# Altium PCB E-Card.PcbDoc
Units mil, origin at the board's own origin, x right, y up, seen from the top; angles counter-clockwise.
Board outline 3937.01 x 3937.01 mil, 2 copper layers (Top Layer, Bottom Layer); 49 components, 56 nets, 208 pads, 10 vias.
Unrouted connection lines stored in the file: 22.
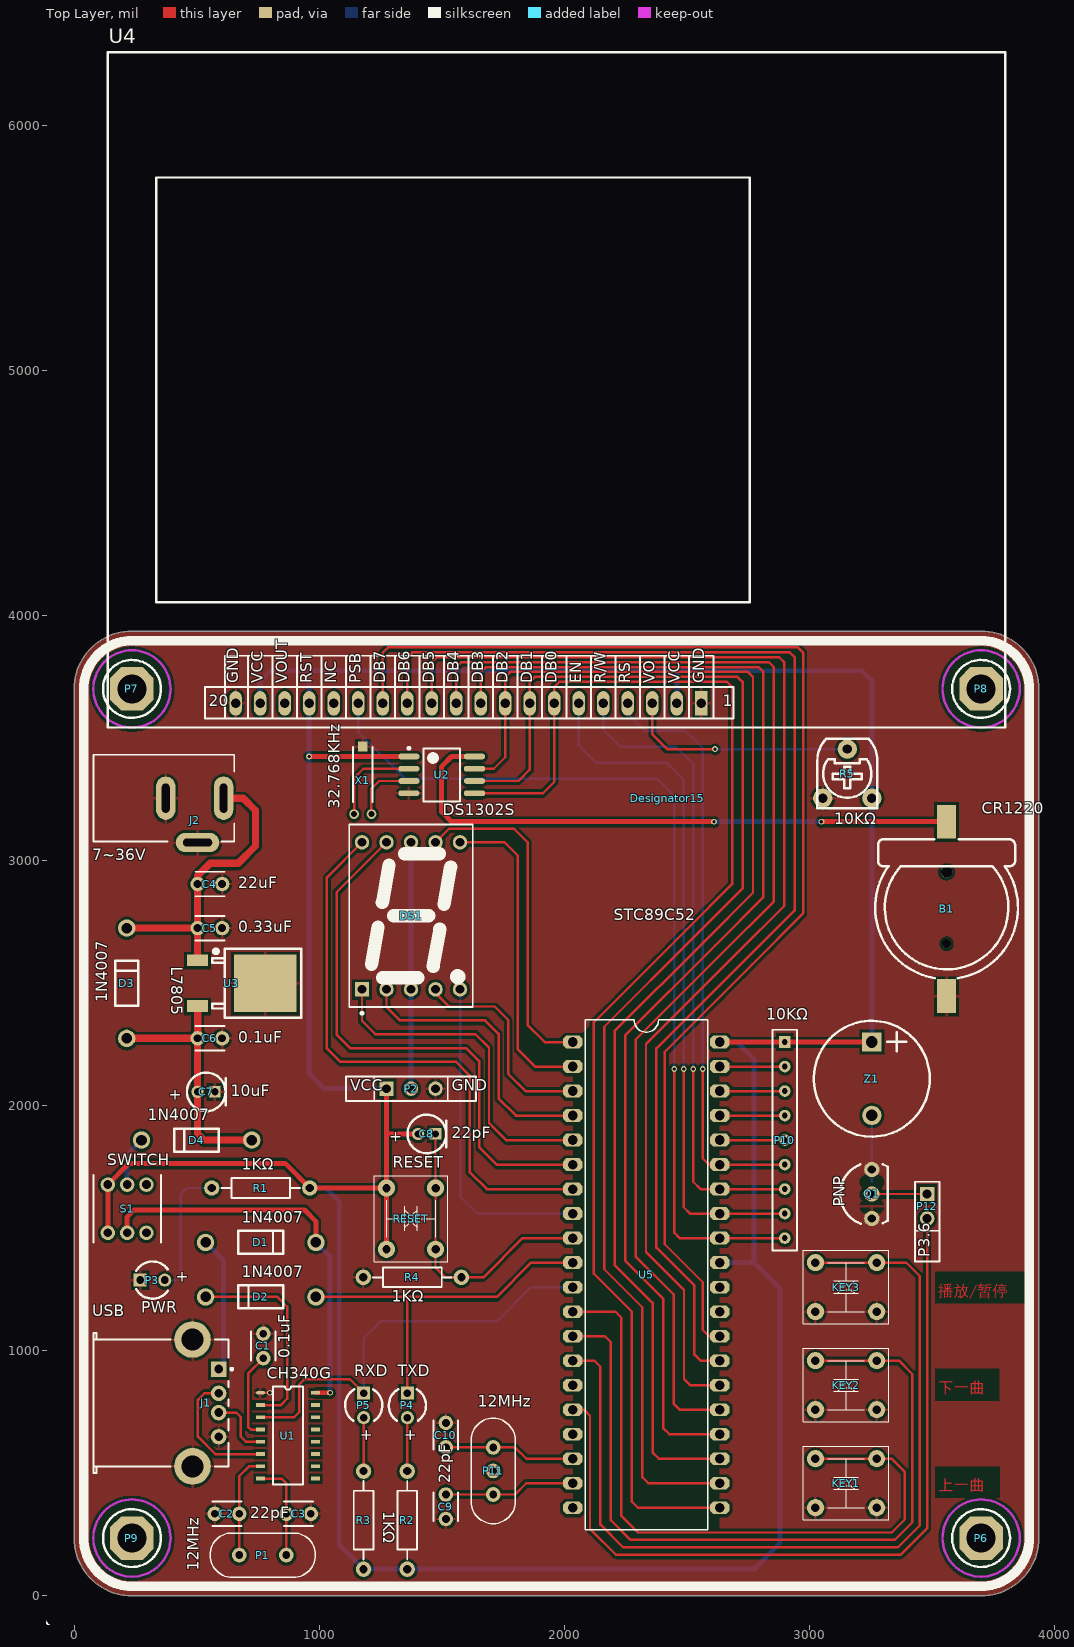
[diagram p0: Top Layer view]
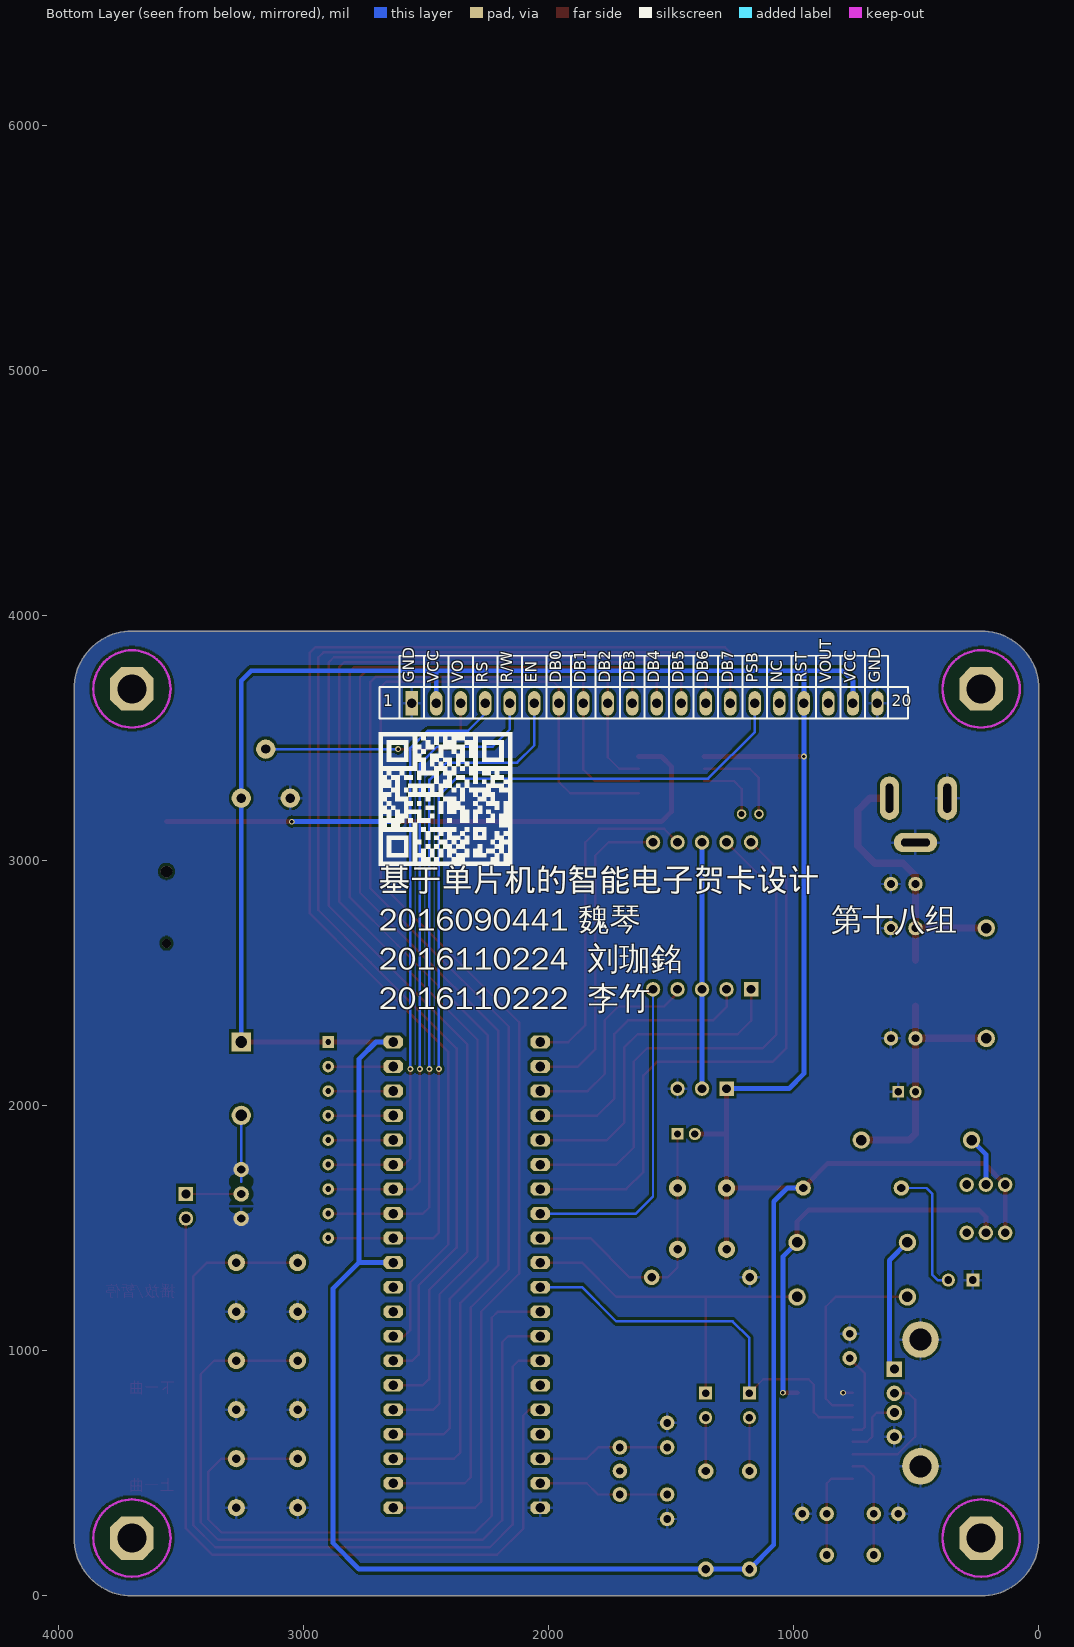
[diagram p1: Bottom Layer view, seen from below]

## Layer stack, top to bottom
Top Solder: solder mask 0.4, Solder Resist, Dk 3.5
Top Layer: signal copper 1.4
Dielectric 1: dielectric 12.6, FR-4, Dk 4.8
Bottom Layer: signal copper 1.4
Bottom Solder: solder mask 0.4, Solder Resist, Dk 3.5

## Board outline
0,236.22 ccw(c236.22,236.22) 236.22,0 3700.79,0 ccw(c3700.79,236.22) 3937.01,236.22 3937.01,3700.79 ccw(c3700.79,3700.79) 3700.79,3937.01 236.22,3937.01 ccw(c236.22,3700.79) 0,3700.79

## Design rules (kind name [scope] priority, off if disabled: settings)
Clearance [All] p1: gap=10 ignorepadtopadclearanceinfootprint=FALSE except(0: Arc-Hole Track-Hole SMDPad-Hole THPad-Hole Via-Hole Fill-Hole Poly-Hole Region-Hole Text-Hole)
HoleSize [All] p1: absolutevalues=TRUE maxlimit=150 minlimit=1 maxpercent=80.000 minpercent=20.000
MinimumSolderMaskSliver [All] p1: minsoldermaskwidth=6
PolygonConnect PolygonConnect_Via [IsVia] p1: connectstyle=Direct reliefconductorwidth=10 reliefentries=4 polygonreliefangle="90 Angle" airgapwidth=10
PolygonConnect [All] p2: connectstyle=Relief reliefconductorwidth=10 reliefentries=4 polygonreliefangle="90 Angle" airgapwidth=10
RoutingVias [All] p1: holewidth=14 width=24 viastyle="Through Hole" minholewidth=10 minwidth=20 maxholewidth=28 maxwidth=50
SilkToSilkClearance [All] p1: silktosilkclearance=0
SilkToSolderMaskClearance [IsPad] p1: minsilkscreentomaskgap=0 clearancetoexposedcopper=TRUE
SolderMaskExpansion [All] p1: expansion=4
Width [All] p1: maxlimit=30 minlimit=10 preferedwidth=10
26 further rules are at their usual default settings.

## Components (designator, comment, footprint, x,y, rotation, side; value= is the part's Value field where it differs from the comment)
B1 "CR1220" BATTERY 3560,3158.99 r270 top
C1 "0.1uF" CAP 772.4,1020 r270 top
C2 "22pF" CAP 623.94,335 r180 top
C3 "22pF" CAP 916.06,335 r0 top
C4 "22uF" CAP 553.94,2904.73 r0 top
C5 "0.33uF" CAP 553.94,2725 r0 top
C6 "0.1uF" CAP 553.94,2275 r180 top
C7 "10uF" 电解电容 539.37,2056.71 r0 top
C8 "10uF" 电解电容 1439.37,1885 r0 top
C9 "22pF" CAP 1517.14,363.94 r90 top
C10 "22pF" CAP 1517.14,656.06 r270 top
D1 "Diode" DIODE 761.77,1442.58 r0 top
D2 "1N4007" DIODE 761.77,1220 r180 top
D3 "Diode" DIODE 215,2500 r90 top
D4 "Diode" DIODE 500,1860 r180 top
Designator15 "Comment" 二维码 2419.6,3255 r0 top
DS1 "7-Segment" 7-SEGMENT 1374.8,2775 r0 top
J1 "USB-A" USB-A 78.74,787.4 r180 top
J2 "电源" "DC JACK" 78.74,3255 r0 top
KEY1 "SW-66B7" SW-66 3150,460 r0 top
KEY2 "SW-66B7" SW-66 3150,860 r0 top
KEY3 "SW-66B7" SW-66 3150,1260 r0 top
P1 "12M" "XTAL 12M" 770,166.74 r0 top
P2 "Header 3" "HEADER 3" 1374.8,2070 r0 top
P3 "LED" LED 320,1288.64 r0 top
P4 "LED" LED 1360,777.24 r270 top
P5 "LED" LED 1181.8,777.24 r270 top
P6 "CU-M3X6-10" CU-M3X6-10 3700.79,236.22 r0 top
P7 "CU-M3X6-10" CU-M3X6-10 236.22,3700.79 r0 top
P8 "CU-M3X6-10" CU-M3X6-10 3700.79,3700.79 r0 top
P9 "CU-M3X6-10" CU-M3X6-10 236.22,236.22 r0 top
P10 "排阻" 排阻 2900,1860 r270 top
P11 "12M" "XTAL 12M" 1710,510 r90 top
P12 "Header 2" "HEADER 2" 3480.42,1590 r270 top
Q1 "PNP" PNP 3255,1640 r270 top
R1 "1K" RES 761.77,1664.39 r0 top
R2 "1K" RES 1359.39,309.24 r270 top
R3 "1K" RES 1181.2,309.24 r270 top
R4 "1k" RES 1380.25,1300 r0 top
R5 "RPot" RPOT 3155,3355 r0 top value=10K
RESET "SW-66B7" SW-66 1374.8,1539.39 r90 top
S1 "SW DPDT" "SW DPDT" 216.54,1580 r0 top
U1 "CH340G" CH340G 760.59,828.87 r0 top
U2 "DS1302S" DS1302 1500,3350 r0 top
U3 "L7805" L7805 503.94,2500 r0 top
U4 "液晶HB240128M3A" LCD12864 2559.33,3641.73 r180 top locked
U5 "STC8951" STC8951 2335,1310 r0 top locked
X1 "32.768KHz" "XTAL 32768" 1178.02,3190 r0 top
Z1 "Beep" BEEP 3255,2110.4 r270 top

## Footprints (in the part's own frame and the unit in brackets; to place one, negate y for a bottom-side part, rotate by r counter-clockwise, add the part's x,y. Pads: shape width x height; smd on the part's side, far side on the other; paste and mask are expansions set on the pad)
7-SEGMENT [mm] "LED, 7-Segment Display, 14.2 mm, RHD; 10 Leads; Row Space 15.24 mm; Pitch 2.54 mm"
  rect 1.5x1.5 hole 0.9: 1(-5.08,-7.62)
  round 1.5 hole 0.9: 2(-2.54,-7.62) 3(0,-7.62) 4(2.54,-7.62) 5(5.08,-7.62) 6(5.08,7.62) 7(2.54,7.62) 8(0,7.62) 9(-2.54,7.62) 10(-5.08,7.62)
  silkscreen extent -6.4,-10.22 6.4,9.45, body extent -6.25,-9.5 6.25,9.5, height 8
BATTERY [mm] "CR1220"
  rect 3.5x2 smd: 1(0,0) 2(18.067,0)
  round 1.2 hole 1.2: 3(5.181,0)
  round 0.9 hole 0.9: 4(12.631,0)
  silkscreen extent 1.81,-7.4 16.22,7.4, body extent 0.15,-7.5 18.65,7.49, height 4.03
BEEP [mm] "7.62脚距，12x9.5蜂鸣器"
  rect 2x2 hole 1.2: 1(-3.8,0)
  round 2 hole 1.2: 2(3.8,0)
  silkscreen extent -6,-6 6,6, body extent -6,-6.02 6,5.98, height 9.8
CAP [mm] "普通电容"
  round 1.5 hole 0.8: 1(-1.27,0) 2(1.27,0)
  silkscreen extent -1.5,-1.27 1.5,1.27, body extent -1.93,-1.27 1.93,1.27, height 5.43
CH340G [mm] "USB to TTL Serial / UART"
  oval 0.9x0.4 smd: 1(0,0)
  rect 0.9x0.4 smd: 2(0,-1.27) 3(0,-2.54) 4(0,-3.81) 5(0,-5.08) 6(0,-6.35) 7(0,-7.62) 8(0,-8.89) 9(5.7,-8.89) 10(5.7,-7.62) 11(5.7,-6.35) 12(5.7,-5.08) 13(5.7,-3.81) 14(5.7,-2.54) 15(5.7,-1.27) 16(5.7,0)
  silkscreen extent 1.28,-9.53 4.42,0.64, body extent -0.28,-9.44 5.98,0.56, height 1.55
CU-M3X6-10 [mm] "10mm长M3六角铜柱"
  oct 4.5x4.5 hole 3: Hole(0,0)
  Keep-Out Layer circle w0.254: c0,0 r4
  silkscreen extent -3,-3 3,3, body extent -2.34,-2.7 2.34,2.7, height 5.4
"DC JACK" [mm] "DC Power Jack, 2.5mm, KLD Series, PCB Mount"
  oval 2x4.5 hole 0.8 slot 3 at 90 deg: 1(13.5,0) 2(7.5,0)
  oval 4.5x2 hole 0.8 slot 3 at 0 deg: 3(10.8,-4.6)
  silkscreen extent 0,-4.5 14.6,4.5, body extent 0,-4.72 14,4.73, height 11
DIODE [mm] "二极管封装（针式）"
  round 1.8 hole 1.1: 1(-5.715,0) 2(5.715,0)
  silkscreen extent -2.32,-1.19 2.32,1.19, body extent -6.1,-1.26 6.1,1.29, height 2.78
DS1302 [mm] "SOP127P780-8,SOP, 8-Leads, Body 5.3x5.3mm, Pitch 1.27mm, IPC Medium Density"
  oval 2.2x0.6 smd: 1(-3.4,1.905) 2(-3.4,0.635) 3(-3.4,-0.635) 4(-3.4,-1.905) 5(3.4,-1.905) 6(3.4,-0.635) 7(3.4,0.635) 8(3.4,1.905)
  silkscreen extent -3.52,-2.75 1.9,2.88, body extent -4,-2.7 4,2.7, height 2.27
"HEADER 2" [mm] "Connector; Header; 2 Position"
  rect 1.5x1.5 hole 0.9: 1(-1.27,0)
  round 1.5 hole 0.9: 2(1.27,0)
  silkscreen extent -2.54,-1.27 2.54,1.27, body extent -2.54,-1.24 2.54,1.26, height 9.01
"HEADER 3" [mm] "Connector; Header; 3 Position"
  rect 1.5x1.5 hole 0.9: 1(-2.54,0)
  round 1.5 hole 0.9: 2(0,0) 3(2.54,0)
  silkscreen extent -3.81,-1.27 3.81,1.27, body extent -3.81,-1.25 3.81,1.25, height 9.01
L7805 [mm] "180度编带包装"
  rect 2.2x1.2 smd: 1(0,2.361) 3(0.004,-2.361)
  rect 6.5x6 smd: 2(7,0)
  silkscreen extent 1.5,-3.57 10.75,3.57, body extent -0.2,-3.27 9.74,3.27, height 2.44
LCD12864 [mil]
  rect 50x100 hole 39: 1(0,0)
  oval 50x100 hole 39: 2(100,0) 3(200,0) 4(300,0) 5(400,0) 6(500,0) 7(600,0) 8(700,0) 9(800,0) 10(900,0) 11(1000,0) 12(1100,0) 13(1200,0) 14(1300,0) 15(1400,0) 16(1500,0) 17(1600,0) 18(1700,0) 19(1800,0) 20(1900,0)
  silkscreen extent -1240,-2657 2422,98, body extent -1240,-2654 2422,102, height 654
LED [mm]
  round 1.35 hole 0.8: 1(1.27,0)
  rect 1.35x1.35 hole 0.8: 2(-1.27,0)
  silkscreen extent -1.67,-1.93 1.58,1.93, body extent -1.93,-1.93 1.6,1.93, height 5.4
PNP [mm] "三极管"
  round 1.6 hole 0.85: 1(2.54,0) 2(0,0) 3(-2.54,0)
  silkscreen extent -3.07,-3.28 3.07,1.65, body extent -2.85,-2.67 2.79,1.52, height 9.43
RES [mm] "电阻"
  round 1.6 hole 0.85: 1(-5.08,0) 2(5.08,0)
  silkscreen extent -4.06,-1.02 4.06,1.02, body extent -5.35,-1.24 5.35,1.28, height 2.76
RPOT [mm] "可变电阻"
  round 2 hole 0.95: 1(2.54,-2.54) 2(-2.54,-2.54) 3(0,2.54)
  silkscreen extent -3.1,-3.6 3.1,3.6, body extent -3.25,-4.29 3.25,3.29, height 7.6
STC8951 [mil]
  oct 80x52 hole 39.37: 1(-300,950) 2(-300,850) 3(-300,750) 4(-300,650) 5(-300,550) 6(-300,450) 7(-300,350) 8(-300,250) 9(-300,150) 10(-300,50) 11(-300,-50) 12(-300,-150) 13(-300,-250) 14(-300,-350) 15(-300,-450) 16(-300,-550) 17(-300,-650) 18(-300,-750) 19(-300,-850) 20(-300,-950) 21(300,-950) 22(300,-850) 23(300,-750) 24(300,-650) 25(300,-550) 26(300,-450) 27(300,-350) 28(300,-250) 29(300,-150) 30(300,-50) 31(300,50) 32(300,150) 33(300,250) 34(300,350) 35(300,450) 36(300,550) 37(300,650) 38(300,750) 39(300,850) 40(300,950)
  silkscreen extent -250,-1040 250,1040, body extent -490,-1195 450,1845, height 696
"SW DPDT" [mm] "自锁开关"
  round 1.5 hole 0.9: 1(-2,-2.5) 2(0,-2.5) 3(2,-2.5) 4(2,2.5) 5(0,2.5) 6(-2,2.5)
  silkscreen extent -3.5,-3.5 3.5,3.5, body extent -3.5,-3.5 3.5,3.5, height 12.6
SW-66 [mil] "6×6轻触开关"
  round 70 hole 34.65: 1(-125,100) 2(-125,-100) 3(125,100) 4(125,-100)
  silkscreen extent -175,-150 175,150, body extent -162,-118 162,118, height 213
USB-A [mm]
  rect 1.6x1.6 hole 0.92: 1(-12.99,-3.5)
  round 1.6 hole 0.92: 2(-12.99,-1) 3(-12.99,1) 4(-12.99,3.5)
  round 3.8 hole 2.3: 5(-10.28,6.57) 6(-10.28,-6.57)
  silkscreen extent -14.47,-7.25 0,7.25, body extent -14,-8.12 0,8.12, height 7.67
"XTAL 12M" [mil] "XTAL 12M"
  round 60 hole 31.5: 1(-96.06,0) 2(96.06,0)
  silkscreen extent -215,-90 215,90, body extent -218,-91 218,92, height 146
"XTAL 32768" [mm] "32768Hz圆柱形晶振"
  round 1 hole 0.6: 1(-0.9,0) 2(0.9,0)
  rect 1x1 smd: 3(0,7)
  silkscreen extent -1,1.27 1,6.95, body extent -1,-0.15 1,6.95, height 2
二维码 [mil]
排阻 [mm]
  rect 1.2x1.2 hole 0.6 mask+0.102: 1(-10.16,0)
  round 1.2 hole 0.6 mask+0.102: 2(-7.62,0) 3(-5.08,0) 4(-2.54,0) 5(0,0) 6(2.54,0) 7(5.08,0) 8(7.62,0) 9(10.16,0)
  silkscreen extent -11.43,-1.27 11.43,1.27, body extent -11.16,-1 11.16,1, height 5.27
电解电容 [mm] "电解电容"
  round 1.27 hole 0.762: 1(-0.9,0)
  rect 1.2x1.2 hole 0.762: 2(0.9,0)
  silkscreen extent -2,-2 2,2, body extent -2,-2.01 2.03,2.01, height 7.11

## Part data
B1: library part BATTERY
C1 C2 C3 C4 C5 C6 C9 C10: library part Cap, "普通电容"
C7 C8: library part 电解电容, "电解电容"
D1 D3 D4: "二极管", PackageDocument=Sep-1996, Code_JEDEC=DO-214-AB, LatestRevisionDate=17-Jul-2002, LatestRevisionNote="Re-released for DXP Platform.", PackageReference=SMC, Published=8-Jun-2000, Publisher="Altium Limited"
D2: library part Diode, "二极管Diode", PackageDocument=Sep-1996, Code_JEDEC=DO-214-AB, LatestRevisionDate=17-Jul-2002, LatestRevisionNote="Re-released for DXP Platform.", PackageReference=SMC, Published=8-Jun-2000, Publisher="Altium Limited"
DS1: "14.2 mm General Purpose Blue 7-Segment Display: CA, RH DP, Gray Surface", Colour=Blue, =7¶ÎÊýÂ, ComponentLink1Description="Manufacturer Link", ComponentLink1URL=http://www.agilent.com/, DatasheetVersion=24-Sep-2002, LatestRevisionDate=17-Dec-2003, LatestRevisionNote="Schematic revised, PCB Footprint replaced.", MinimumIntensity="2020 ucd", Note="IF = 10 mA", PackageReference=H, PackageVersion=24-Sep-2002, Published=8-Jun-2000, Publisher="Altium Limited"
J2: library part "DC JACK", "DC 电源座", Manufacturer=Kycon, Fitted=True
P1 P11: library part "XTAL 12M", "12MHZ振荡器 【2PIN】"
P2: "Header, 3-Pin", LatestRevisionDate=17-Jul-2002, LatestRevisionNote="Re-released for DXP Platform.", Publisher="Altium Limited"
P3 P4 P5: "LED灯"
P6 P7 P8 P9: "10mm长M3六角铜柱", LatestRevisionDate=17-Jul-2002, LatestRevisionNote="Re-released for DXP Platform.", Publisher="Altium Limited"
P10: "Header, 9-Pin", LatestRevisionDate=17-Jul-2002, LatestRevisionNote="Re-released for DXP Platform.", Publisher="Altium Limited"
P12: "针座/孔座 180度", LatestRevisionDate=17-Jul-2002, LatestRevisionNote="Re-released for DXP Platform.", Publisher="Altium Limited"
Q1: "PNP Bipolar Transistor", Code_JEDEC=SOT-23, LatestRevisionDate=17-Jul-2002, LatestRevisionNote="Re-released for DXP Platform.", PackageReference=SOT-23B, Published=8-Jun-2000, Publisher="Altium Limited"
R1 R2 R3 R4: library part RES, "电阻"
R5: "可调 电阻", LatestRevisionDate=17-Jul-2002, LatestRevisionNote="Re-released for DXP Platform.", PackageReference=VR5, Published=8-Jun-2000, Publisher="Altium Limited", Set Position=0.5, Sim Note="Enter the Resistance value and the set point into parameter fields."
S1: "自锁开关 （双刀双掷）", LatestRevisionDate=17-Jul-2002, LatestRevisionNote="Re-released for DXP Platform.", PackageReference=SOT23-6, Published=24-Mar-1999, Publisher="Altium Limited"
U1: "USB to TTL Serial / UART"
U2: library part DS1302, "时钟芯片 SOP127P780-8"
U3: "1.5A Vin:40V(max) Vout:5-24V -55 ~ 150°C LDO稳压器"
U5: "51单片机"
X1: library part "XTAL 32768", "32768HZ振荡器 【2PIN】"
Z1: "蜂鸣器", =蜂鸣

## Free pads (board coordinates)
  round 60 hole 30: 2(1710,510)

## Via types
v1: diameter 24, hole 14, Top Layer to Bottom Layer, tented both sides, 10 vias

## Nets (pads, with @x,y where several pads share a name; then routed paths per layer and width w, separated by ;. In a path a pad name is that pad's centre, name@x,y a point inside that pad or via, vN(x,y) a via of type N, cw(c..) or ccw(c..) an arc to the next point about the centre after c; other vN are vias at no path point)
GND: B1.2 C1.1 C2.2 C3.2 C4.2 C5.2 C6.1 C7.2 C9.1 C10.1 J1.4 J1.5 J1.6 J2.2 J2.3 KEY1.2 KEY1.4 KEY2.2 KEY2.4 KEY3.2 KEY3.4 P2.3 P3.2 Q1.3 R4.1 R5.2 U1.1 U2.4 U3.2 U4.1 U4.20 U5.20 X1.3 | length 38.3
  Top Layer w10: U1.1 v1(798.87,828.87)
NetB1_1: B1.1 U2.8 | length 2413
  Top Layer w20: U2.8 1540,3425 1500,3385 1500,3198.99 1540,3158.99 2411.01,3158.99 v1(2611.01,3158.99) ; v1(3048.99,3158.99) B1.1
  Bottom Layer w20: v1(2611.01,3158.99) v1(3048.99,3158.99)
NetC1_2: C1.2 U1.4 | length 361
  Top Layer w10: U1.4 721.13,678.87 710,690 710,907.6 C1.2
NetC2_1: C2.1 P1.1 U1.7 | length 425.4
  Top Layer w10: P1.1 C2.1 673.94,488.94 713.87,528.87 U1.7
NetC3_1: C3.1 P1.2 U1.8 | length 405.9
  Top Layer w10: U1.8 846.13,478.87 866.06,458.94 C3.1 P1.2
NetC4_1: C4.1 C5.1 D3.2 J2.1 U3.1 | length 1216.6
  Top Layer w30: D3.2 C5.1 ; U3.1 C5.1 ; J2.1 690,3255 740,3205 740,3060 670,2990 555,2990 503.94,2938.94 C4.1 C5.1
NetC6_2: C6.2 C7.1 D3.1 D4.1 U3.3 | length 1041.8
  Top Layer w30: D3.1 C6.2 ; U3.3 504.1,2275.16 C6.2 ; D4.1 530,1860 503.94,1886.06 C7.1 C6.2
NetD1_1: D1.1 J1.1 | length 555.9
  Bottom Layer w20: D1.1 610,1369.35 610,945.04 J1.1
NetD1_2: D1.2 S1.2 U1.16 | length 1649.8
  Top Layer w20: S1.2 216.54,1546.54 245,1575 940,1575 986.77,1528.23 D1.2 ; U1.16 v1(1045,828.87)
  Bottom Layer w20: D1.2 1045,1384.35 v1(1045,828.87)
NetD2_2: D2.2 U1.2 | length 845
  Top Layer w10: D2.2 830,1220 870,1180 870,805 843.87,778.87 U1.2
NetD4_2: D4.2 S1.5 | length 205.8
  Bottom Layer w20: S1.5 216.54,1801.54 D4.2
NetDS1_3: DS1.3 DS1.8 P2.2 | length 1005
  Bottom Layer w20: P2.2 DS1.3 DS1.8
NetJ1_2: J1.2 U1.6 | length 531.3
  Top Layer w10: J1.2 531.77,826.77 505,800 505,650 576.13,578.87 U1.6
NetJ1_3: J1.3 U1.5 | length 266.7
  Top Layer w10: J1.3 661.97,748.03 680,730 680,650 701.13,628.87 U1.5
NetP3_1: P3.1 R1.1 | length 540.7
  Bottom Layer w10: P3.1 413.64,1288.64 435,1310 435,1640 459.39,1664.39 R1.1
NetP4_1: P4.1 R2.1 | length 218.3
  Top Layer w10: R2.1 1359.39,726.63 P4.1
NetP5_1: P5.1 R3.1 | length 218.3
  Top Layer w10: R3.1 1181.2,726.63 P5.1
NetP12_1: P12.1 Q1.2 | length 225.4
  Top Layer w10: Q1.2 P12.1
NetQ1_1: Q1.1 Z1.2 | length 270.8
  Bottom Layer w10: 3255,1690 Z1.2
NetR5_3: R5.3 U4.3 | length 947.3
  Top Layer w10: U4.3 2359.33,3515 2419.33,3455 v1(2615,3455)
  Bottom Layer w10: v1(2615,3455) R5.3
NetU2_2: U2.2 X1.1 | length 386.6
  Top Layer w10: X1.1 1142.58,3337.58 1180,3375 U2.2
NetU2_3: U2.3 X1.2 | length 269.2
  Top Layer w10: X1.2 1213.45,3293.45 1245,3325 U2.3
P0.0: P10.2 U5.39 | length 265
  Top Layer w10: U5.39 P10.2
P0.1: P10.3 U5.38 | length 265
  Top Layer w10: U5.38 P10.3
P0.2: P10.4 U5.37 | length 265
  Top Layer w10: U5.37 P10.4
P0.3: P10.5 U5.36 | length 265
  Top Layer w10: U5.36 P10.5
P0.4: P10.6 U4.4 U5.35 | length 2425.5
  Top Layer w10: v1(2565,2150) 2565,1785 2590,1760 U5.35 P10.6
  Bottom Layer w10: U4.4 2259.33,3600.19 2329.52,3530 2494.81,3530 2565,3459.81 2565,3360 v1(2565,2150)
P0.5: P10.7 U4.5 U5.34 | length 2622.6
  Top Layer w10: v1(2526.25,2150) 2526.25,1690.01 2556.26,1660 U5.34 P10.7
  Bottom Layer w10: U4.5 2159.33,3535.19 2229.52,3465 2456.06,3465 2526.25,3394.81 2526.25,3375 v1(2526.25,2150)
P0.6: P10.8 U4.6 U5.33 | length 2824.9
  Top Layer w10: v1(2487.5,2150) 2487.5,1586.14 2513.63,1560 U5.33 P10.8
  Bottom Layer w10: U4.6 2059.33,3470.19 2129.52,3400 2417.31,3400 2487.5,3329.81 2487.5,3295 v1(2487.5,2150)
P0.7: P10.9 U4.15 U5.32 | length 3756.6
  Top Layer w10: v1(2448.75,2150) 2448.75,1482.26 2471.01,1460 U5.32 P10.9
  Bottom Layer w10: U4.15 1159.33,3525.67 1350,3335 2378.56,3335 2448.75,3264.81 2448.75,3245 v1(2448.75,2150)
P1.0: DS1.7 U5.1 | length 1379.6
  Top Layer w10: DS1.7 1529.8,3130 1795.4,3130 1850.4,3075 1850.4,2330.2 1920.59,2260 U5.1
P1.1: DS1.6 U5.2 | length 1301.9
  Top Layer w10: DS1.6 1756.03,3075 1811.03,3020 1811.03,2230.2 1881.22,2160 U5.2
P1.2: DS1.4 U5.3 | length 869.6
  Top Layer w10: DS1.4 1474.8,2460 1529.8,2405 1555,2405 1716.66,2405 1771.66,2350 1771.66,2130.2 1841.85,2060 U5.3
P1.3: DS1.2 U5.4 | length 1169.6
  Top Layer w10: DS1.2 1274.8,2403.47 1329.8,2348.47 1677.29,2348.47 1732.29,2293.47 1732.29,2030.2 1802.48,1960 U5.4
P1.4: DS1.1 U5.5 | length 1369.6
  Top Layer w10: DS1.1 1174.8,2346.95 1229.8,2291.95 1637.92,2291.95 1692.92,2236.95 1692.92,1930.2 1763.11,1860 U5.5
P1.5: DS1.9 U5.6 | length 2257.7
  Top Layer w10: DS1.9 1071.11,2871.3 1071.11,2290.42 1126.11,2235.42 1598.55,2235.42 1653.55,2180.42 1653.55,1830.2 1723.74,1760 U5.6
P1.6: DS1.10 U5.7 | length 2372
  Top Layer w10: DS1.10 1031.74,2931.93 1031.74,2233.9 1086.74,2178.9 1559.18,2178.9 1614.18,2123.9 1614.18,1730.2 1684.37,1660 U5.7
P1.7: DS1.5 U5.8 | length 1334.1
  Bottom Layer w10: DS1.5 1574.8,1630.2 1645,1560 U5.8
P2.0: U2.5 U4.7 U5.21 | length 5467.2
  Top Layer w10: U2.5 1912.6,3275 1959.33,3321.73 U4.7 1959.33,3709.16 1980.17,3730 2664.16,3730 2685,3709.16 2685,3685 2685,2985 2685,2904.41 2500,2719.41 2120.5,2339.91 2120.5,1315.09 2275.5,1160.09 2275.5,385 2300.5,360 U5.21
P2.1: U2.6 U4.8 U5.22 | length 5357.2
  Top Layer w10: U2.6 1812.6,3325 1859.33,3371.73 U4.8 1859.33,3729.16 1880.17,3750 2706.78,3750 2727.63,3729.16 2727.63,3695 2727.63,2980 2727.63,2886.75 2535,2694.13 2163.13,2322.26 2163.13,1332.74 2318.13,1177.74 2318.13,485 2343.13,460 U5.22
P2.2: U2.7 U4.9 U5.23 | length 5247.3
  Top Layer w10: U2.7 1712.6,3375 1759.33,3421.73 U4.9 1759.33,3749.33 1780,3770 2749.41,3770 2770.25,3749.16 2770.25,3700 2770.25,2945 2770.25,2869.1 2570,2668.85 2205.76,2304.6 2205.76,1350.4 2360.76,1195.4 2360.76,585 2385.76,560 U5.23
P2.3: U4.10 U5.24 | length 4922.4
  Top Layer w10: U4.10 1659.33,3769.16 1680.17,3790 2792.04,3790 2812.88,3769.16 2812.88,3715 2812.88,2930 2812.88,2851.44 2616.44,2655 2248.38,2286.94 2248.38,1368.06 2403.38,1213.06 2403.38,685 2428.38,660 U5.24
P2.4: U4.11 U5.25 | length 4962.4
  Top Layer w10: U4.11 1559.33,3789.16 1580.17,3810 2834.66,3810 2855.5,3789.16 2855.5,3715 2855.5,2903.78 2855.5,2833.78 2641.72,2620 2291.01,2269.29 2291.01,1385.71 2446.01,1230.71 2446.01,785 2471.01,760 U5.25
P2.5: U4.12 U5.26 | length 5002.4
  Top Layer w10: U4.12 1459.33,3809.16 1480.17,3830 2877.29,3830 2898.13,3809.16 2898.13,3715 2898.13,2910 2898.13,2816.13 2707,2625 2333.63,2251.63 2333.63,1403.37 2488.63,1248.37 2488.63,885 2513.63,860 U5.26
P2.6: U4.13 U5.27 | length 5077.8
  Top Layer w10: U4.13 1359.33,3829.16 1380.17,3850 2919.91,3850 2940.76,3829.16 2940.76,3715 2940.76,2880 2940.76,2798.47 2727.28,2585 2376.26,2233.98 2376.26,1421.02 2531.26,1266.02 2531.26,985 ; U5.27 2556.26,960 ; 2531.26,985 2556.26,960 ; 2531.26,985 2556.26,960
P2.7: U4.14 U5.28 | length 5082.4
  Top Layer w10: U4.14 1259.33,3849.16 1280.17,3870 2953.65,3870 2974.5,3849.16 2974.5,3715 2974.5,2875 2974.5,2784.5 2765,2575 2410,2220 2410,1435 2565,1280 2565,1085 2590,1060 U5.28
P3.0: D2.1 P4.2 U5.10 | length 1499
  Top Layer w10: D2.1 1360,1220 ; P4.2 1360,1220 ; U5.10 1865,1360 1725,1220 1360,1220
P3.1: P5.2 U1.3 U5.11 | length 1739
  Top Layer w10: U1.3 897.75,728.87 918.87,750 918.87,862.8 940,883.92 1125.12,883.92 P5.2
  Bottom Layer w10: P5.2 1181.8,1051.8 1250,1120 1725,1120 1865,1260 U5.11
P3.2: KEY1.1 KEY1.3 U5.12 | length 2804
  Top Layer w10: U5.12 2207.88,1160 2232.88,1135 2232.88,326.62 2300.56,258.94 3336.06,258.94 3390,312.88 3390,505 3335,560 KEY1.3 KEY1.1
P3.3: KEY2.1 KEY2.3 U5.13 | length 3206.9
  Top Layer w10: U5.13 2165.25,1060 2190.25,1035 2190.25,308.97 2270.42,228.8 3348.54,228.8 3420.14,300.39 3420.14,905 3365.14,960 KEY2.3 KEY2.1
P3.4: KEY3.1 KEY3.3 U5.14 | length 3609.8
  Top Layer w10: U5.14 2122.63,960 2147.63,935 2147.63,291.31 2240.28,198.65 3361.03,198.65 3450.28,287.91 3450.28,1305 3395.28,1360 KEY3.3 KEY3.1
P3.6: P12.2 U5.16 | length 3263.9
  Top Layer w10: U5.16 U5.16@2074.37,760 ; 2080,760 2105,735 2105,273.65 2210.14,168.51 3373.51,168.51 3480.42,275.42 3480.42,1455 P12.2
RST: C8.2 R4.2 RESET.2 RESET.4 U5.9 | length 1187.9
  Top Layer w10: C8.2 RESET.4 RESET.2 1474.8,1340.2 1515,1300 R4.2 1670,1300 1830,1460 U5.9
VCC: C8.1 P2.1 P10.1 R1.2 R2.2 R3.2 R5.1 RESET.1 RESET.3 S1.1 S1.6 U2.1 U4.2 U4.17 U4.19 U5.31 U5.40 Z1.1 | length 15194.3
  Top Layer w20: S1.1 S1.6 224.37,1765 861.17,1765 R1.2 RESET.3 ; v1(959.33,3425) U2.1 ; RESET.1 RESET.3 ; P2.1 1274.8,1885 ; C8.1 1274.8,1885 ; U5.40 P10.1 Z1.1 ; RESET.3 1274.8,1885
  Bottom Layer w20: U4.19 759.33,3734.33 800,3775 960,3775 ; R1.2 1026.77,1664.39 1082.02,1609.15 1082.02,208.41 R3.2 R2.2 2774.24,109.24 2880,215 2880,1255 2775,1360 ; P2.1 1020,2070 959.33,2130.67 v1(959.33,3425) U4.17 959.33,3774.33 960,3775 ; U4.2 2459.33,3769.33 2465,3775 ; U5.31 2775,1360 ; U5.40 2705,2260 2775,2190 2775,1360 ; Z1.1 R5.1 3255,3734.33 3214.33,3775 2465,3775 ; 960,3775 2465,3775
XTAL1: C9.2 P11.1 U5.19 | length 536.9
  Top Layer w10: C9.2 P11.1 1798.94,413.94 1845,460 U5.19
XTAL2: C10.2 P11.2 U5.18 | length 536.9
  Top Layer w10: C10.2 P11.2 1798.94,606.06 1845,560 U5.18
pads on no net: B1.3 B1.4 P6.Hole P7.Hole P8.Hole P9.Hole S1.3 S1.4 U1.9 U1.10 U1.11 U1.12 U1.13 U1.14 U1.15 U4.16 U4.18 U5.15 U5.17 U5.29 U5.30

## Polygon pours and split planes (outlines as drawn)
GND on Top Layer "GND_L01_P000" (hatched Horizontal grid 4 track 5, remove dead copper, pour order 0): 0,236.22 ccw(c236.22,236.22) 236.22,0 3700.79,0 ccw(c3700.79,236.22) 3937.01,236.22 3937.01,3700.79 ccw(c3700.79,3700.79) 3700.79,3937.01 236.22,3937.01 ccw(c236.22,3700.79) 0,3700.79
GND on Bottom Layer "GND_L02_P002" (hatched Horizontal grid 4 track 5, remove dead copper, pour order 2): 0,236.22 ccw(c236.22,236.22) 236.22,0 3700.79,0 ccw(c3700.79,236.22) 3937.01,236.22 3937.01,3700.79 ccw(c3700.79,3700.79) 3700.79,3937.01 236.22,3937.01 ccw(c236.22,3700.79) 0,3700.79

## Other copper
Top Layer:
  pour cut-out: 2210.14,168.51 2105,273.65 2105,360 2035,360 2035,2260 2120,2345 2125.59,2345 2685,2904.41 2685,3709.16 2664.16,3730 2784.16,3850 2919.91,3850 2940.76,3829.16 2940.76,2798.47 2376.26,2233.98 2410,2200.23 2410,2145 2560,2145 2575,2160 2635,2160 2635,360 2635,276.44 2307.81,276.44
  text "播放/暂停" at 3525,1207.18 h80
  text "下一曲" at 3525,810.03 h80
  text "上一曲" at 3525,412.88 h80

## Silkscreen, mask and mechanical layers (free items; w line width, h text height)
Top Overlay:
  lines w7.87: 616.33,3579.73 535,3579.73 535,3708.73 616.33,3708.73 616.33,3836 2609.33,3836 ; 709.33,3580 709.33,3836 ; 809.33,3580 809.33,3836 ; 909.33,3580 909.33,3836 ; 1009.33,3580 1009.33,3836 ; 1109.33,3580 1109.33,3836 ; 1209.33,3580 1209.33,3836 ; 1224.8,2020 1110,2020 1110,2120 1224.8,2120 ; 1309.33,3580 1309.33,3836 ; 1409.33,3580 1409.33,3836 ; 1509.33,3580 1509.33,3836 ; 1524.8,2020 1639.61,2020 1639.61,2120 1524.8,2120 ; 1609.33,3580 1609.33,3836 ; 1709.33,3580 1709.33,3836 ; 1809.33,3580 1809.33,3836 ; 1909.33,3580 1909.33,3836 ; 2009.33,3580 2009.33,3836 ; 2109.33,3580 2109.33,3836 ; 2209.33,3580 2209.33,3836 ; 2309.33,3580 2309.33,3836 ; 2409.33,3580 2409.33,3836 ; 2509.33,3580 2509.33,3836 ; 2609.33,3579.73 2690.66,3579.73 2690.66,3708.73 2609.33,3708.73 2609.33,3835.33 ; 3430.42,1490 3430.42,1365.2 3530.42,1365.2 3530.42,1490
  lines w10: -157.48,0 ccw(c0,0) 0,-157.48
  lines w39.37: 39.37,236.22 ccw(c236.22,236.22) 236.22,39.37 3700.79,39.37 ccw(c3700.79,236.22) 3897.64,236.22 3897.64,3700.79 ccw(c3700.79,3700.79) 3700.79,3897.64 236.22,3897.64 ccw(c236.22,3700.79) 39.37,3700.79 39.37,236.22
  text "GND" at 686.53,3723 h80 r90
  text "VCC" at 786.67,3723 h80 r90
  text "VOUT" at 886.67,3723 h80 r90
  text "RST" at 986.66,3723 h80 r90
  text "NC" at 1086.51,3723 h80 r90
  text "PSB" at 1186.51,3723 h80 r90
  text "DB7" at 1286.5,3723 h80 r90
  text "DB6" at 1386.5,3723 h80 r90
  text "DB5" at 1486.49,3723 h80 r90
  text "DB4" at 1586.49,3723 h80 r90
  text "DB3" at 1686.49,3723 h80 r90
  text "DB2" at 1786.48,3723 h80 r90
  text "DB1" at 1886.48,3723 h80 r90
  text "DB0" at 1986.47,3723 h80 r90
  text "EN" at 2086.47,3723 h80 r90
  text "R/W" at 2186.61,3723 h80 r90
  text "RS" at 2286.61,3723 h80 r90
  text "VO" at 2386.61,3723 h80 r90
  text "VCC" at 2486.6,3723 h80 r90
  text "GND" at 2586.6,3723 h80 r90
  text "20" at 549.99,3614.54 h80
  text "1" at 2646.48,3614.54 h80
  text "32.768KHz" at 1100,3212.39 h80 r90
  text "CR1220" at 3703.53,3175 h80
  text "DS1302S" at 1503.98,3170 h80
  text "10KΩ" at 3102.65,3131.76 h80
  text "7~36V" at 74.8,2985 h80
  text "22uF" at 669.13,2871.14 h80
  text "STC89C52" at 2202.34,2740 h80
  text "0.33uF" at 669.13,2691.4 h80
  text "L7805" at 380,2566.16 h80 r270
  text "1N4007" at 150.96,2423.23 h80 r90
  text "10KΩ" at 2823.6,2335 h80
  text "0.1uF" at 669.13,2241.4 h80
  text "+" at 440,2080.35 h80 r180
  text "VCC" at 1126.44,2045 h80
  text "GND" at 1540.17,2045 h80
  text "10uF" at 640,2023.11 h80
  text "1N4007" at 300,1924.04 h80
  text "+" at 1340,1908.64 h80 r180
  text "22pF" at 1540,1851.4 h80
  text "SWITCH" at 136.25,1740 h80
  text "RESET" at 1300.23,1730 h80
  text "1KΩ" at 683.81,1723.43 h80
  text "PNP" at 3160,1587.65 h80 r90
  text "1N4007" at 685,1506.61 h80
  text "P3.6" at 3507.62,1381.27 h80 r90
  text "1N4007" at 685,1284.04 h80
  text "+" at 415,1265 h80
  text "1KΩ" at 1296.77,1185 h80
  text "PWR" at 274.31,1140 h80
  text "USB" at 74.8,1125 h80
  text "0.1uF" at 897.31,969.2 h80 r90
  text "RXD" at 1143.25,880 h80
  text "TXD" at 1321.45,880 h80
  text "CH340G" at 786.84,870 h80
  text "12MHz" at 1646.77,755 h80
  text "+" at 1158.17,682.24 h80 r270
  text "+" at 1336.36,682.24 h80 r270
  text "22pF" at 1550.74,459.38 h80 r90
  text "1KΩ" at 1245.23,346.12 h80 r270
  text "22pF" at 719.38,301.4 h80
  text "12MHz" at 525,103.51 h80 r90
Bottom Overlay:
  lines w7.87: 616.33,3835.73 616.33,3579.73 ; 616.33,3836 2609.33,3836 ; 709.33,3580 709.33,3836 ; 809.33,3580 809.33,3836 ; 909.33,3580 909.33,3836 ; 1009.33,3580 1009.33,3836 ; 1109.33,3580 1109.33,3836 ; 1209.33,3580 1209.33,3836 ; 1309.33,3580 1309.33,3836 ; 1409.33,3580 1409.33,3836 ; 1509.33,3580 1509.33,3836 ; 1609.33,3580 1609.33,3836 ; 1709.33,3580 1709.33,3836 ; 1809.33,3580 1809.33,3836 ; 1909.33,3580 1909.33,3836 ; 2009.33,3580 2009.33,3836 ; 2109.33,3580 2109.33,3836 ; 2209.33,3580 2209.33,3836 ; 2309.33,3580 2309.33,3836 ; 2409.33,3580 2409.33,3836 ; 2509.33,3580 2509.33,3836 ; 2609.33,3835.73 2609.33,3579.73 ; 616.33,3579.73 2609.33,3579.73 ; 616.33,3579.73 535,3579.73 535,3708.73 616.33,3708.73 2609.33,3708.73 2690.66,3708.73 2690.66,3579.73 2609.33,3579.73
  text "GND" at 632.14,3725 h80 r270
  text "VCC" at 732.13,3725 h80 r270
  text "VOUT" at 832.13,3725 h80 r270
  text "RST" at 932.12,3725 h80 r270
  text "NC" at 1032.12,3725 h80 r270
  text "PSB" at 1132.12,3725 h80 r270
  text "DB7" at 1232.11,3725 h80 r270
  text "DB6" at 1332.11,3725 h80 r270
  text "DB5" at 1432.1,3725 h80 r270
  text "DB4" at 1532.1,3725 h80 r270
  text "DB3" at 1632.1,3725 h80 r270
  text "DB2" at 1732.09,3725 h80 r270
  text "DB1" at 1832.09,3725 h80 r270
  text "DB0" at 1932.08,3725 h80 r270
  text "EN" at 2032.08,3725 h80 r270
  text "R/W" at 2132.08,3725 h80 r270
  text "RS" at 2232.07,3725 h80 r270
  text "VO" at 2332.07,3725 h80 r270
  text "VCC" at 2432.07,3725 h80 r270
  text "GND" at 2532.06,3725 h80 r270
  text "20" at 601.34,3614.54 h80
  text "1" at 2675.67,3614.54 h80
  text "基于单片机的智能电子贺卡设计 / 2016090441 魏琴                    第十八组 / 2016110224  刘珈銘 / 2016110222  李竹" at 2694.6,2363.78 h160
Top Solder:
  text "播放/暂停" at 3525,1207.18 h80
  text "下一曲" at 3525,810.03 h80
  text "上一曲" at 3525,412.88 h80
Mechanical 1:
  the board outline again, w10

## Dimensions
3937.01,236.22 to 0,236.22 on Top Overlay
236.22,0 to 236.22,3937.01 on Top Overlay